# KiCad board Kimiro.kicad_pcb (continued)
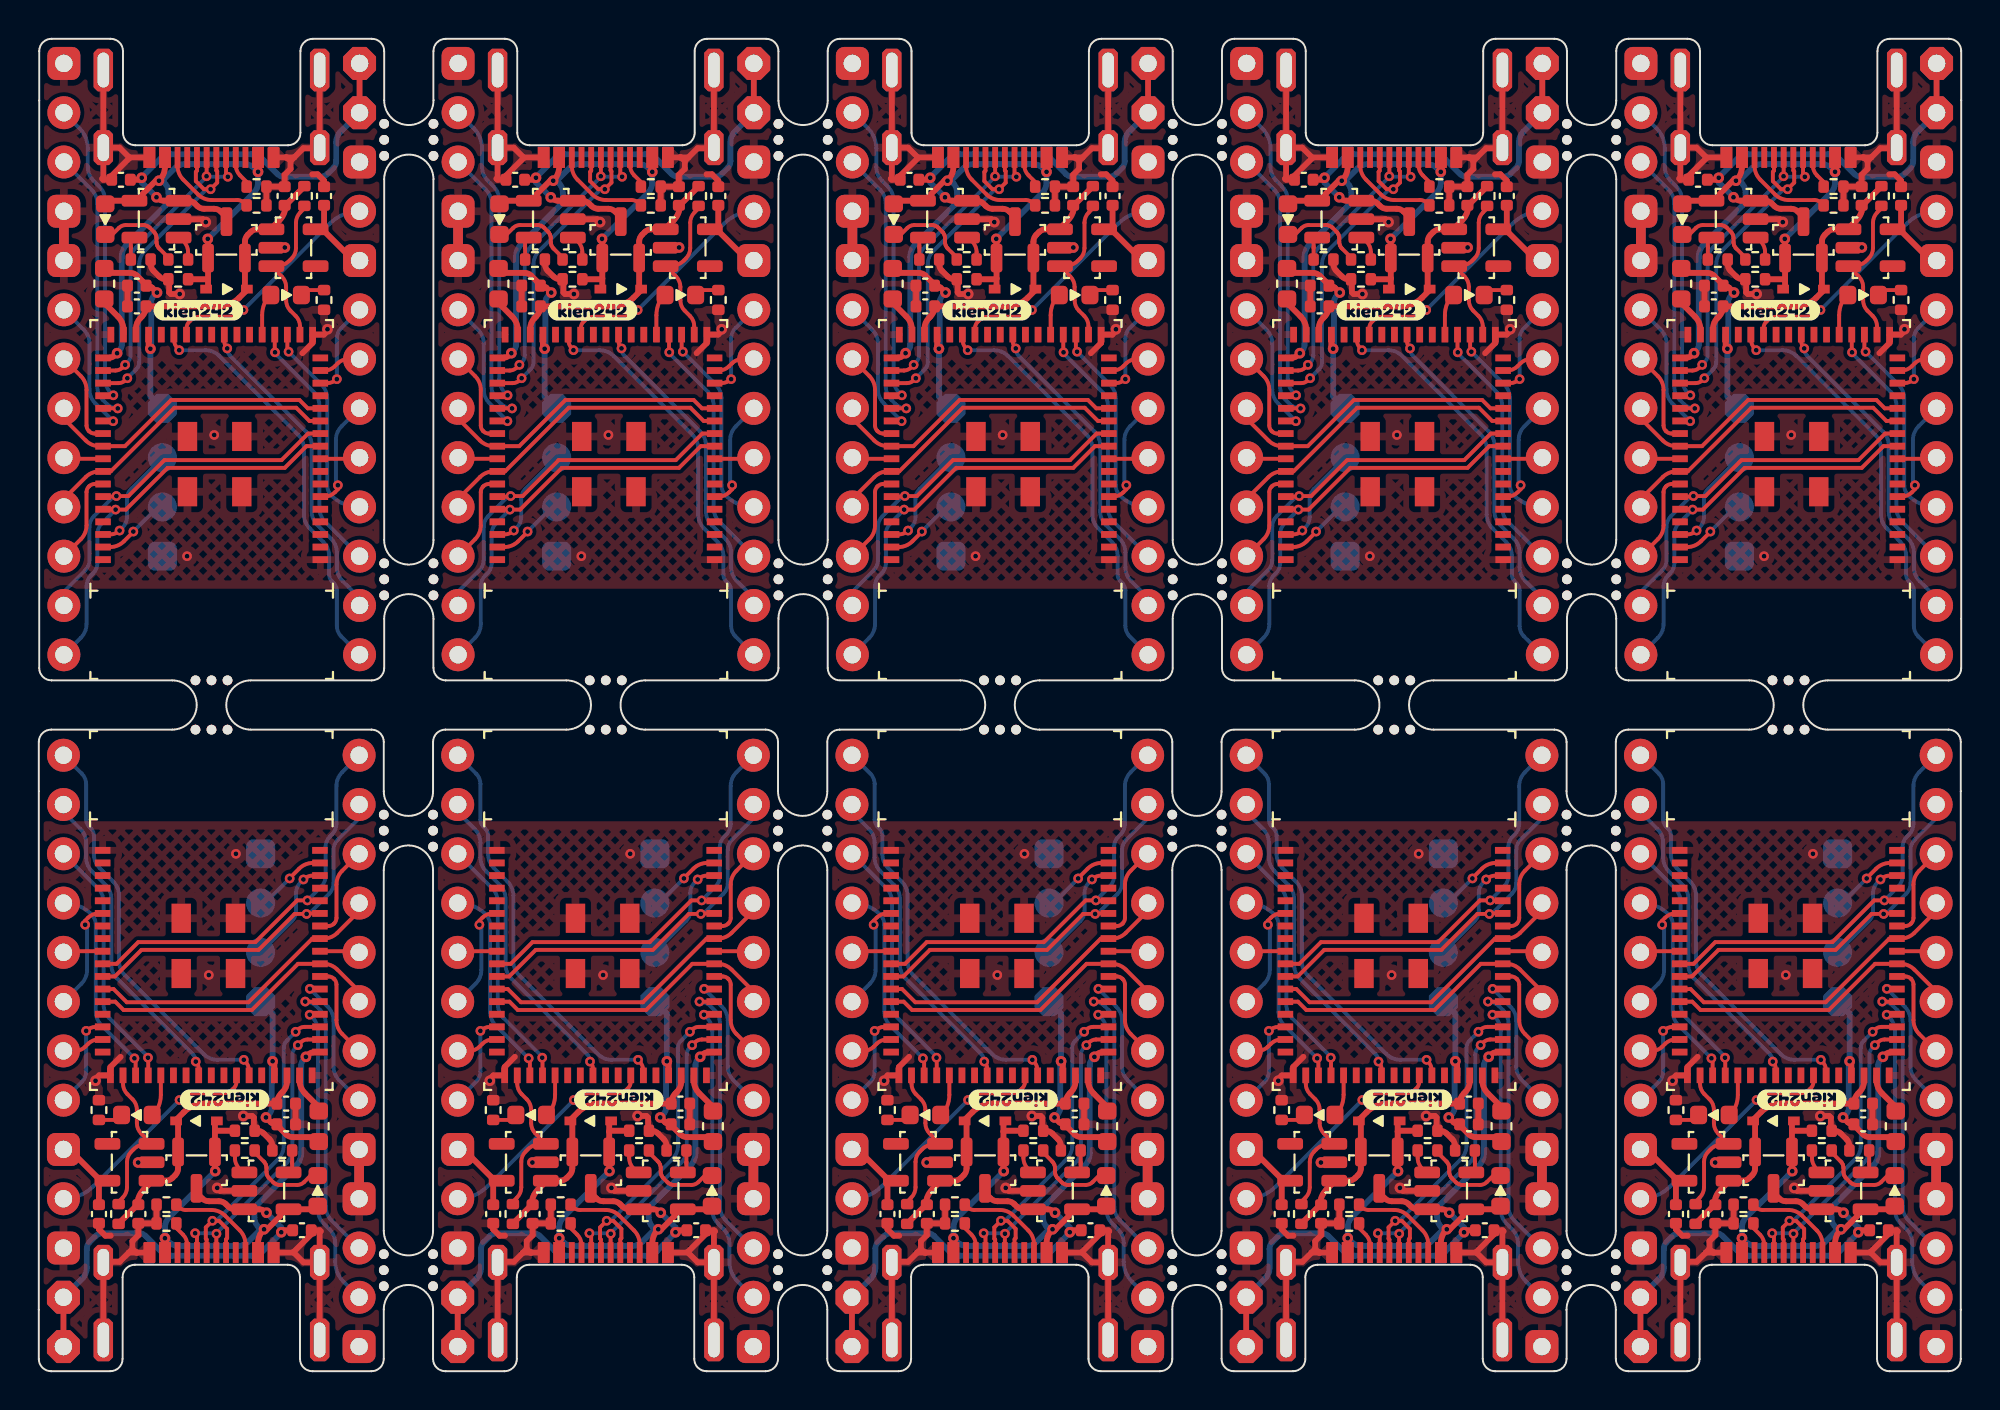
[diagram p0: board, top side]
## Routing (per net, layer and track width the routed paths; a pad name or vN(x,y) marks a point on that pad's centre or on a via; arc(x,y) is an arc through that point) (continued)
Net-(D2-Pad1): length 12.1
  Top w0.2: R35.2 54.35,55.73 54.2,55.58 ; 24.56,13.11 24.41,12.95 R20.2 ; R34.2 44.73,12.95 44.88,13.11 ; 13.56,55.58 13.71,55.73 R11.2 ; 65.2,13.11 65.05,12.95 R48.2 ; R49.2 74.67,55.73 74.52,55.58 ; 85.52,13.11 85.37,12.95 R62.2 ; R63.2 94.99,55.73 94.84,55.58 ; R11#2.2 4.09,12.95 4.24,13.11 ; 33.88,55.58 34.03,55.73 R21.2
Net-(D3-Pad1): length 47.1
  Top w0.2: 3.42,58.39 D3.1 3.79,58.6 4.13,58.93 arc(4.29,59.04) 4.48,59.08 5.38,59.08 5.44,59.08 5.57,59.04 5.68,58.98 5.73,58.93 5.92,58.74 5.97,58.7 6.03,58.58 6.06,58.46 6.07,58.39 6.07,58.22 6.07,58.16 6.1,58.03 6.17,57.91 6.21,57.87 6.67,57.41 R4#2.1 ; R28.1 51.77,11.28 52.23,10.81 52.27,10.77 52.34,10.65 52.37,10.53 52.37,10.46 52.37,10.29 52.38,10.23 52.41,10.1 52.48,9.99 52.52,9.94 52.71,9.75 52.76,9.7 52.87,9.64 53,9.6 53.07,9.6 53.96,9.6 arc(54.15,9.64) 54.31,9.75 54.65,10.08 D14.1 55.02,10.29 ; 44.06,58.39 D15.1 44.43,58.6 44.77,58.93 arc(44.93,59.04) 45.12,59.08 46.02,59.08 46.08,59.08 46.21,59.04 46.32,58.98 46.37,58.93 46.56,58.74 46.61,58.7 46.67,58.58 46.7,58.46 46.71,58.39 46.71,58.22 46.71,58.16 46.74,58.03 46.81,57.91 46.85,57.87 47.31,57.41 R29.1 ; R56.1 92.41,11.28 92.87,10.81 92.91,10.77 92.98,10.65 93.01,10.53 93.01,10.46 93.01,10.29 93.02,10.23 93.05,10.1 93.12,9.99 93.16,9.94 93.35,9.75 93.4,9.7 93.51,9.64 93.64,9.6 93.71,9.6 94.6,9.6 arc(94.79,9.64) 94.95,9.75 95.29,10.08 D26.1 95.66,10.29 ; 64.38,58.39 D21.1 64.75,58.6 65.09,58.93 arc(65.25,59.04) 65.44,59.08 66.34,59.08 66.4,59.08 66.53,59.04 66.64,58.98 66.69,58.93 66.88,58.74 66.93,58.7 66.99,58.58 67.02,58.46 67.03,58.39 67.03,58.22 67.03,58.16 67.06,58.03 67.13,57.91 67.17,57.87 67.63,57.41 R43.1 ; R42.1 72.09,11.28 72.55,10.81 72.59,10.77 72.66,10.65 72.69,10.53 72.69,10.46 72.69,10.29 72.7,10.23 72.73,10.1 72.8,9.99 72.84,9.94 73.03,9.75 73.08,9.7 73.19,9.64 73.32,9.6 73.39,9.6 74.28,9.6 arc(74.47,9.64) 74.63,9.75 74.97,10.08 D20.1 75.34,10.29 ; R4.1 11.13,11.28 11.59,10.81 11.63,10.77 11.7,10.65 11.73,10.53 11.73,10.46 11.73,10.29 11.74,10.23 11.77,10.1 11.84,9.99 11.88,9.94 12.07,9.75 12.12,9.7 12.23,9.64 12.36,9.6 12.43,9.6 13.32,9.6 arc(13.51,9.64) 13.67,9.75 14.01,10.08 D3#2.1 14.38,10.29 ; R57.1 87.95,57.41 87.49,57.87 87.45,57.91 87.38,58.03 87.35,58.16 87.35,58.22 87.35,58.39 87.34,58.46 87.31,58.58 87.25,58.7 87.2,58.74 87.01,58.93 86.96,58.98 86.85,59.04 86.72,59.08 86.66,59.08 85.76,59.08 arc(85.57,59.04) 85.41,58.93 85.07,58.6 D27.1 84.7,58.39 ; 23.74,58.39 D9.1 24.11,58.6 24.45,58.93 arc(24.61,59.04) 24.8,59.08 25.7,59.08 25.76,59.08 25.89,59.04 26,58.98 26.05,58.93 26.24,58.74 26.29,58.7 26.35,58.58 26.38,58.46 26.39,58.39 26.39,58.22 26.39,58.16 26.42,58.03 26.49,57.91 26.53,57.87 26.99,57.41 R15.1 ; 34.7,10.29 D8.1 34.33,10.08 33.99,9.75 arc(33.83,9.64) 33.64,9.6 32.75,9.6 32.68,9.6 32.55,9.64 32.44,9.7 32.39,9.75 32.2,9.94 32.16,9.99 32.09,10.1 32.06,10.23 32.05,10.29 32.05,10.46 32.05,10.53 32.02,10.65 31.95,10.77 31.91,10.81 31.45,11.28 R14.1
Net-(J2-PadA5): length 18
  Top w0.2: J7.A5 27.97,6.51 arc(27.91,6.8) 27.75,7.04 27.43,7.36 27.43,7.62 27.33,7.62 ; J32.A5 91.43,62.17 arc(91.49,61.88) 91.65,61.64 91.97,61.32 91.97,61.06 92.07,61.06 ; 88.29,7.62 88.39,7.62 88.39,7.36 88.71,7.04 arc(88.87,6.8) 88.93,6.51 J31.A5 ; 51.43,61.06 51.33,61.06 51.33,61.32 51.01,61.64 arc(50.85,61.88) 50.79,62.17 J16.A5 ; 10.79,61.06 10.69,61.06 10.69,61.32 10.37,61.64 arc(10.21,61.88) 10.15,62.17 J2#2.A5 ; J2.A5 7.65,6.51 arc(7.59,6.8) 7.43,7.04 7.11,7.36 7.11,7.62 7.01,7.62 ; 71.75,61.06 71.65,61.06 71.65,61.32 71.33,61.64 arc(71.17,61.88) 71.11,62.17 J24.A5 ; J8.A5 30.47,62.17 arc(30.53,61.88) 30.69,61.64 31.01,61.32 31.01,61.06 31.11,61.06 ; 67.97,7.62 68.07,7.62 68.07,7.36 68.39,7.04 arc(68.55,6.8) 68.61,6.51 J23.A5 ; J15.A5 48.29,6.51 arc(48.23,6.8) 48.07,7.04 47.75,7.36 47.75,7.62 47.65,7.62
Net-(J2-PadB5): length 49.8
  Top w0.2: R2#2.2 7.22,8.46 arc(7.38,8.35) 7.57,8.31 8.89,8.31 arc(9.27,8.24) 9.6,8.02 10.36,7.26 arc(10.57,6.93) 10.65,6.55 J2.B5 ; R39.2 71.55,60.22 arc(71.38,60.33) 71.19,60.37 69.87,60.37 arc(69.49,60.45) 69.16,60.66 68.4,61.42 arc(68.19,61.75) 68.11,62.13 J24.B5 ; J8.B5 27.47,62.13 arc(27.55,61.75) 27.76,61.42 28.52,60.66 arc(28.85,60.45) 29.23,60.37 30.55,60.37 arc(30.74,60.33) 30.91,60.22 R9.2 ; J2#2.B5 7.15,62.13 arc(7.23,61.75) 7.44,61.42 8.2,60.66 arc(8.53,60.45) 8.91,60.37 10.23,60.37 arc(10.42,60.33) 10.59,60.22 R2.2 ; J31.B5 91.93,6.55 arc(91.85,6.93) 91.64,7.26 90.88,8.02 arc(90.55,8.24) 90.17,8.31 88.85,8.31 arc(88.66,8.35) 88.5,8.46 R52.2 ; J23.B5 71.61,6.55 arc(71.53,6.93) 71.32,7.26 70.56,8.02 arc(70.23,8.24) 69.85,8.31 68.53,8.31 arc(68.34,8.35) 68.18,8.46 R38.2 ; R25.2 51.23,60.22 arc(51.06,60.33) 50.87,60.37 49.55,60.37 arc(49.17,60.45) 48.84,60.66 48.08,61.42 arc(47.87,61.75) 47.79,62.13 J16.B5 ; J32.B5 88.43,62.13 arc(88.51,61.75) 88.72,61.42 89.48,60.66 arc(89.81,60.45) 90.19,60.37 91.51,60.37 arc(91.7,60.33) 91.87,60.22 R53.2 ; R24.2 47.86,8.46 arc(48.02,8.35) 48.21,8.31 49.53,8.31 arc(49.91,8.24) 50.24,8.02 51,7.26 arc(51.21,6.93) 51.29,6.55 J15.B5 ; R8.2 27.54,8.46 arc(27.7,8.35) 27.89,8.31 29.21,8.31 arc(29.59,8.24) 29.92,8.02 30.68,7.26 arc(30.89,6.93) 30.97,6.55 J7.B5
Net-(R4-Pad2): length 11.5
  Top w0.2: 71.07,11.33 71.07,11 arc(71.13,10.7) 71.3,10.43 71.3,10.25 ; 30.66,10.25 30.66,10.43 arc(30.49,10.7) 30.43,11 30.43,11.33 ; 91.39,11.33 91.39,11 arc(91.45,10.7) 91.62,10.43 91.62,10.25 ; 7.69,57.35 7.69,57.68 arc(7.63,57.99) 7.46,58.25 7.46,58.44 ; 10.11,11.33 10.11,11 arc(10.17,10.7) 10.34,10.43 10.34,10.25 ; 50.98,10.25 50.98,10.43 arc(50.81,10.7) 50.75,11 50.75,11.33 ; 68.65,57.35 68.65,57.68 arc(68.59,57.99) 68.42,58.25 68.42,58.44 ; 27.78,58.44 27.78,58.25 arc(27.95,57.99) 28.01,57.68 28.01,57.35 ; 88.97,57.35 88.97,57.68 arc(88.91,57.99) 88.74,58.25 88.74,58.44 ; 48.33,57.35 48.33,57.68 arc(48.27,57.99) 48.1,58.25 48.1,58.44
Net-(R5-Pad1): length 13
  Top w0.2: R44.1 74.02,10.77 ; 74.02,10.77 74.02,10.43 U16.5 ; 74.02,10.77 74.02,10.69 ; 4.74,57.91 4.74,58.25 U1.5 ; 4.74,57.91 4.74,58 ; 4.74,57.91 R5.1 ; 33.38,10.77 33.38,10.69 ; 33.38,10.77 33.38,10.43 U2.5 ; 33.38,10.77 R16.1 ; 25.06,57.91 25.06,58 ; 25.06,57.91 25.06,58.25 U5.5 ; 25.06,57.91 R17.1 ; 86.02,57.91 86.02,58.25 U23.5 ; 86.02,57.91 86.02,58 ; 86.02,57.91 R59.1 ; 45.38,57.91 45.38,58.25 U11.5 ; 45.38,57.91 R31.1 ; 45.38,57.91 45.38,58 ; R5#2.1 13.06,10.77 ; 13.06,10.77 13.06,10.69 ; 13.06,10.77 13.06,10.43 U1#2.5 ; R30.1 53.7,10.77 ; 53.7,10.77 53.7,10.69 ; 53.7,10.77 53.7,10.43 U10.5 ; R45.1 65.7,57.91 ; 65.7,57.91 65.7,58.25 U17.5 ; 65.7,57.91 65.7,58 ; R58.1 94.34,10.77 ; 94.34,10.77 94.34,10.69 ; 94.34,10.77 94.34,10.43 U22.5

## Copper pours and planes (outline as drawn; the poured copper is in the pictures)
GND on Top: 52.44,62.98 52.56,63.11 52.92,63.11 53.46,62.57 52.92,62.03 52.56,62.03 52.44,62.15
GND on Top: 11.8,62.98 11.92,63.11 12.28,63.11 12.82,62.57 12.28,62.03 11.92,62.03 11.8,62.15
GND on Top: 32.12,62.98 32.24,63.11 32.6,63.11 33.14,62.57 32.6,62.03 32.24,62.03 32.12,62.15
GND on Top: 93.08,62.98 93.2,63.11 93.56,63.11 94.1,62.57 93.56,62.03 93.2,62.03 93.08,62.15
GND on Top: 52.44,62.98 52.56,63.11 52.92,63.11 53.46,62.57 52.92,62.03 52.56,62.03 52.44,62.15
GND on Top: 46.64,5.7 46.52,5.58 46.16,5.58 45.63,6.11 46.16,6.65 46.52,6.65 46.64,6.53
GND on Top: 66.96,5.7 66.84,5.58 66.48,5.58 65.95,6.11 66.48,6.65 66.84,6.65 66.96,6.53
GND on Top: 87.28,5.7 87.16,5.58 86.8,5.58 86.27,6.11 86.8,6.65 87.16,6.65 87.28,6.53
GND on Top: 11.8,62.98 11.92,63.11 12.28,63.11 12.82,62.57 12.28,62.03 11.92,62.03 11.8,62.15
GND on Top: 26.32,5.7 26.2,5.58 25.84,5.58 25.31,6.11 25.84,6.65 26.2,6.65 26.32,6.53
GND on Top: 6,5.7 5.88,5.58 5.52,5.58 4.99,6.11 5.52,6.65 5.88,6.65 6,6.53
GND on Top: 46.64,5.7 46.52,5.58 46.16,5.58 45.63,6.11 46.16,6.65 46.52,6.65 46.64,6.53
GND on Top: 6,5.7 5.88,5.58 5.52,5.58 4.99,6.11 5.52,6.65 5.88,6.65 6,6.53
GND on Top: 72.76,62.98 72.88,63.11 73.24,63.11 73.78,62.57 73.24,62.03 72.88,62.03 72.76,62.15
GND on Top: 32.12,62.98 32.24,63.11 32.6,63.11 33.14,62.57 32.6,62.03 32.24,62.03 32.12,62.15
GND on Top: 72.76,62.98 72.88,63.11 73.24,63.11 73.78,62.57 73.24,62.03 72.88,62.03 72.76,62.15
GND on Top: 26.32,5.7 26.2,5.58 25.84,5.58 25.31,6.11 25.84,6.65 26.2,6.65 26.32,6.53
GND on Top: 87.28,5.7 87.16,5.58 86.8,5.58 86.27,6.11 86.8,6.65 87.16,6.65 87.28,6.53
GND on Top: 93.08,62.98 93.2,63.11 93.56,63.11 94.1,62.57 93.56,62.03 93.2,62.03 93.08,62.15
GND on Top: 66.96,5.7 66.84,5.58 66.48,5.58 65.95,6.11 66.48,6.65 66.84,6.65 66.96,6.53
GND on Top, Bottom: 40.56,28.35 58.47,28.35 58.47,-0.03 40.56,-0.03
GND on Top, Bottom: 99.16,40.34 81.25,40.34 81.25,68.71 99.16,68.71
GND on Top, Bottom: 60.88,28.35 78.79,28.35 78.79,-0.03 60.88,-0.03
GND on Top, Bottom: -0.08,28.35 17.83,28.35 17.83,-0.03 -0.08,-0.03
GND on Top, Bottom: 81.2,28.35 99.11,28.35 99.11,-0.03 81.2,-0.03
GND on Top, Bottom: 17.88,40.34 -0.03,40.34 -0.03,68.71 17.88,68.71
GND on Top, Bottom: 20.24,28.35 38.15,28.35 38.15,-0.03 20.24,-0.03
GND on Top, Bottom: 58.52,40.34 40.61,40.34 40.61,68.71 58.52,68.71
GND on Top, Bottom: 38.2,40.34 20.29,40.34 20.29,68.71 38.2,68.71
GND on Top, Bottom: 78.84,40.34 60.93,40.34 60.93,68.71 78.84,68.71

## Text on the board
B.Silkscreen: AIN0 | AIN1 | AIN2 | AIN3 | 019 | 013 | GND | - | 016 | 008 | 108 | 006 | 002 | 003 | 004 | 005 | VCC | RST | 015 | 017 | 021 | 023 | 020 | 022 | 024 | 100 | VDD | DIO | CLK | {dblquote}*{dblquote} : low frequency I/O | * | B+
